# Altium PCB Phaser.PcbDoc (part 2 of 4)
Units mm, origin at the board's own origin, x right, y up, seen from the top; angles counter-clockwise.
Board outline 161.99 x 100 mm, 6 copper layers (L1, L2, L3, L4, P5, L6), stack 1.648 mm thick; 797 components, 586 nets, 3005 pads, 2 vias.
Unrouted connection lines stored in the file: 1433.
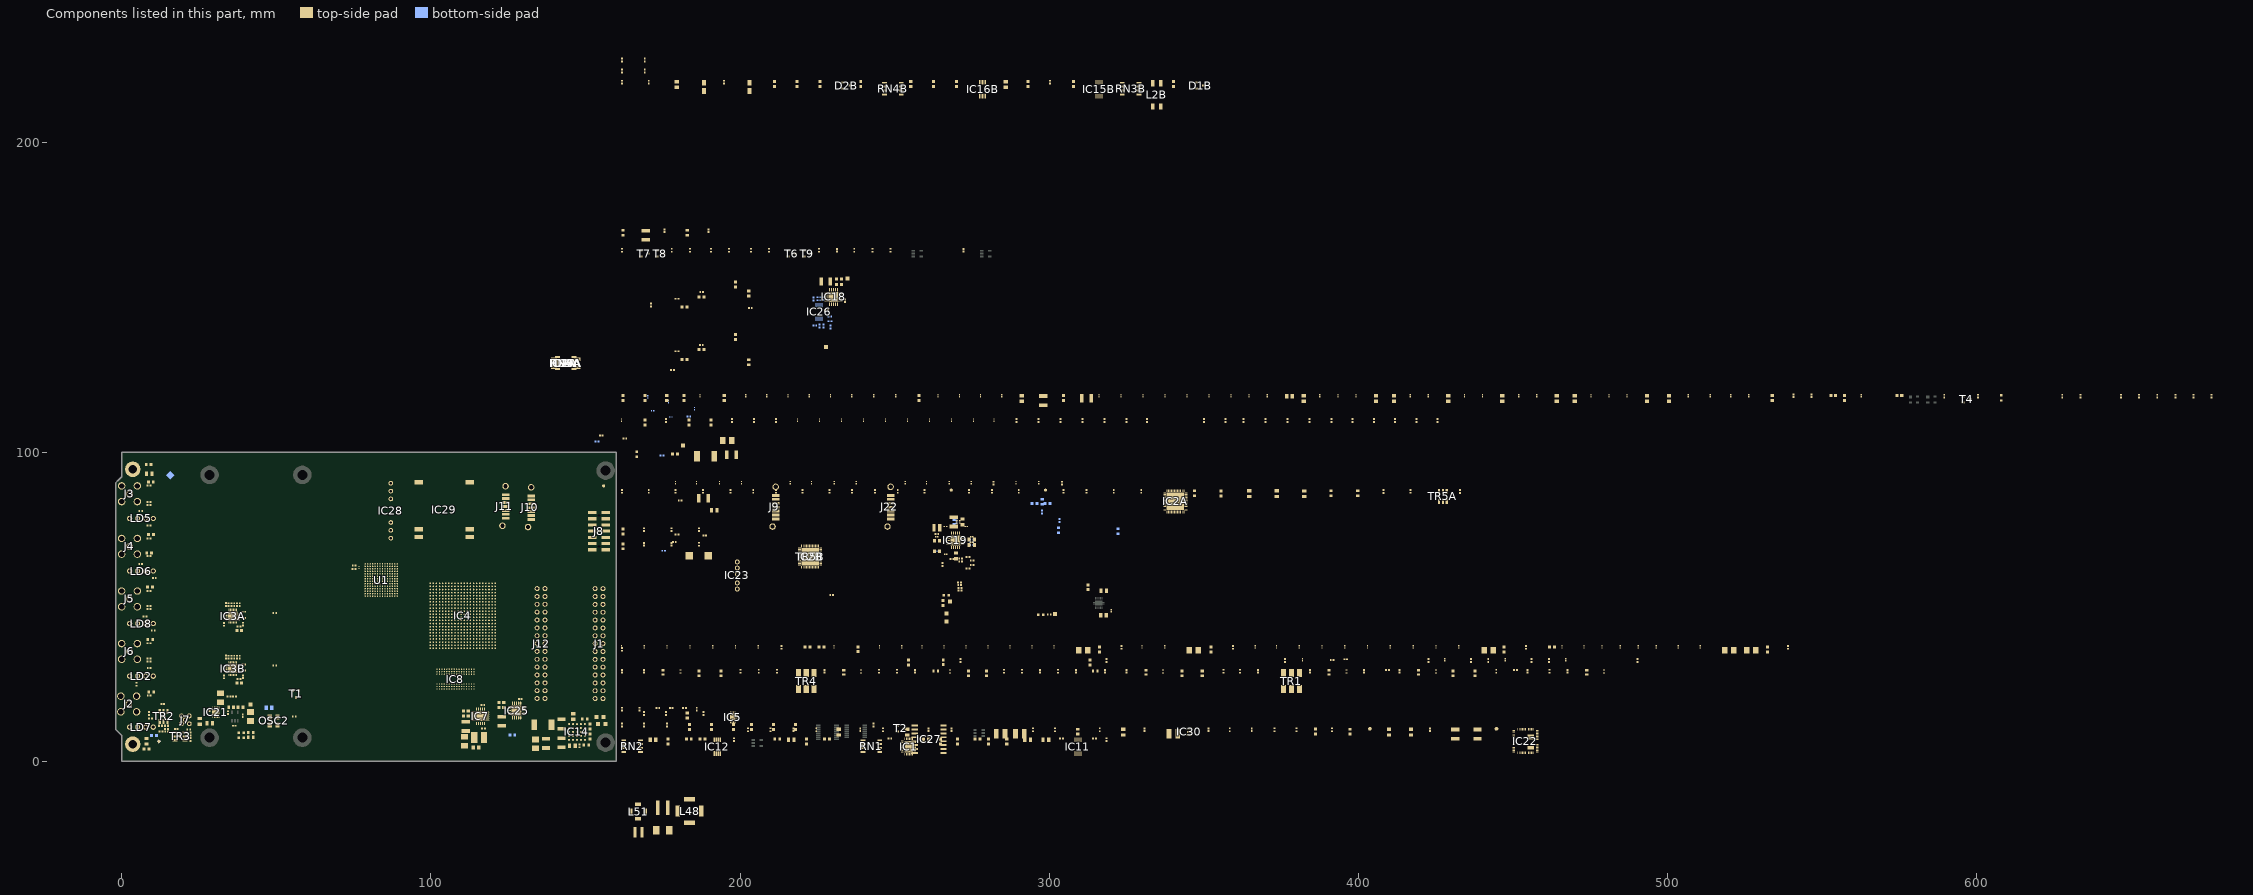
[diagram p3: the components of this part, seen from the top]

## Components (designator, comment, footprint, x,y, rotation, side; value= is the part's Value field where it differs from the comment) (continued)
L34A "1k@100MHz" INDC1005X55N 196.862,87.259 r90 top (schematic designator L34)
L34B "1k@100MHz" INDC1005X55N 222.662,66.162 r0 top (schematic designator L34)
L35A "1k@100MHz" INDC1005X55N 204.237,87.259 r90 top (schematic designator L35)
L35B "1k@100MHz" INDC1005X55N 222.662,66.162 r0 top (schematic designator L35)
L36 "68nH" IND_COILCRAFT_0603HP 331.219,28.706 r90 top
L37 "10nH" IND_COILCRAFT_0402DC 239.164,29.056 r90 top
L38 "10nH" IND_COILCRAFT_0402DC 336.844,29.056 r90 top
L39 "68nH" IND_COILCRAFT_0603HP 175.061,28.706 r90 top
L40 "10nH" IND_COILCRAFT_0402DC 180.686,29.056 r90 top
L41 "220R@100MHz" INDC1608X95N 226.263,36.956 r0 top
L42 "1.5uH" IND_TDK_SPM6530 136.19,11.752 r180 top
L43 "2.2uH" IND_MURATA_LQH44PN_P0 340.119,8.855 r0 top
L44 "10uH" IND_MURATA-PS_8400 115.6,7.65 r180 top
L45A "1k@100MHz" INDC1005X55N 329.744,87.259 r90 top (schematic designator L45)
L45B "1k@100MHz" INDC1005X55N 222.662,66.162 r0 top (schematic designator L45)
L46 "2.2uH" IND_MURATA_LQH44PN_P0 290.467,8.855 r0 top
L47 "2.2uH" IND_MURATA_LQH44PN_P0 284.241,8.855 r0 top
L48 "2.2uH" IND_WURTH_WE-TPC_8020 183.675,-16.125 r0 top
L49 "2.2uH" IND_BOURNS_SRP5015TA 174.95,-22.3 r0 top
L50 "2.2uH" IND_COILCRAFT_XAL4020 167.15,-23 r0 top
L51 "2.2uH" IND_BOURNS_SRU5028 166.975,-16.275 r0 top
L52 "2.2uH" IND_COILCRAFT_XAL5030 174.975,-15.1 r0 top
LD1 "Green" LED_KINGBRIGHT_KPH-1608CGCKr 38.6,7.65 r0 top
LD2 "Red/Green" LED_DIALIGHT_571-0112F 2.55,27.5 r0 top locked
LD3 "Green" LED_KINGBRIGHT_KPH-1608CGCK 607.932,117.485 r90 top
LD4 "Green" LED_KINGBRIGHT_KPH-1608CGCKr 266.625,53.7 r180 top
LD5 "Red/Green" LED_DIALIGHT_571-0112F 2.55,78.5 r0 top locked
LD6 "Red/Green" LED_DIALIGHT_571-0112F 2.55,61.5 r0 top locked
LD7 "Red/Green" LED_DIALIGHT_571-0112F 2.55,11 r0 top locked
LD8 "Red/Green" LED_DIALIGHT_571-0112F 2.55,44.5 r0 top locked
LD9 "Green" LED_KINGBRIGHT_KPH-1608CGCKr 38.6,9.15 r0 top
LD10 "Green" LED_KINGBRIGHT_KPH-1608CGCKr 166.6,99.325 r90 top
LD11 "Green" LED_KINGBRIGHT_KPH-1608CGCKr 297.205,47.415 r0 top
OSC2 "125MHz" 510CBA49M1520BAG 48.747,13 r270 top
R1 "0" RESC1005X40N#1 229.6,53.775 r180 top
R2 "0" RESC1005X40N#1 450.799,29.481 r0 top
R3 "0" RESC1005X40N#1 409.372,29.481 r0 top
R4 "0" RESC1005X40N#1 314.618,7.38 r0 top
R5 "100" RESC1005X40N#1 248.44,7.38 r0 top
R6 "0" RESC1005X40N#1 303.942,7.38 r0 top
R7 "24k" RESC1608X55N 212.013,7.13 r0 top
R8A "Undefined" RESC1608X55N 198.45,154.175 r90 top (schematic designator R8)
R8B "Undefined" RESC1608X55N 198.45,137.175 r90 top (schematic designator R8)
R9A "0" RESC1608X55N 322.249,74.381 r270 bottom (schematic designator R9)
R9B "0" RESC1608X55N 302.939,74.719 r270 bottom (schematic designator R9)
R10A "1k8" RESC1608X55N 202.8,151.303 r270 top (schematic designator R10)
R10B "1k8" RESC1608X55N 202.8,129.02 r270 top (schematic designator R10)
R11 "49R9" RESC1005X40N#1 490.201,32.556 r90 top
R12 "49R9" RESC1005X40N#1 461.55,32.556 r90 top
R13 "49R9" RESC1005X40N#1 455.95,32.556 r90 top
R14 "0" RESC1608X55N 9.528,22.347 r180 top
R15 "49R9" RESC1005X40N#1 441.974,32.556 r90 top
R16 "49R9" RESC1005X40N#1 436.374,32.556 r90 top
R17 "0" RESC1005X40N#1 268.512,65.35 r0 top
R18 "13k" RESC1005X40N#1 391.397,10.18 r90 top
R19 "2k2" RESC1608X55N 386.046,9.58 r90 top
R20 "1k6" RESC1005X40N#1 379.946,10.18 r90 top
R21 "49R9" RESC1005X40N#1 422.673,32.556 r90 top
R22 "100" RESC1005X40N#1 271.325,64.6 r0 top
R23 "4k7" RESC1608X55N 112.05,15.45 r270 top
R24 "49R9" RESC1005X40N#1 75.155,63.275 r180 top
R25A "0" RESC1608X55N 143.6,128.775 r0 top (schematic designator R25)
R25B "0" RESC1608X55N 262.565,219.015 r90 top (schematic designator R25)
R26 "100" RESC1005X40N#1 8.85,30.175 r0 top
R27 "100" RESC1005X40N#1 6.131,80.9 r180 top
R28 "100" RESC1005X40N#1 8.821,76.2 r0 top
R29 "100" RESC1005X40N#1 6.117,63.761 r180 top
R30 "100" RESC1005X40N#1 10.55,59.275 r180 top
R31 "49R9" RESC1005X40N#1 75.125,62.125 r0 top
R32 "0" RESC1005X40N#1 297.664,80.569 r270 bottom
R33 "10k" RESC1005X40N#1 299.964,47.407 r0 top
R34 "1k27" RESC1608X55N 269.125,77.4 r270 bottom
R35 "10" RESC1005X40N#1 318.518,32.556 r90 top
R36 "1k" RESC1608X55N 297.714,83.894 r270 bottom
R37 "60R4" RESC1005X40N#2 467.625,29.081 r90 top
R38 "91" RESC1005X40N#1 444.549,29.081 r90 top
R39 "60R4" RESC1005X40N#2 413.248,29.081 r90 top
R40 "60R4" RESC1005X40N#2 384.271,29.081 r90 top
R41 "91" RESC1005X40N#1 356.32,29.081 r90 top
R42 "1k" RESC1005X40N#1 263.625,67.9 r0 bottom
R43 "1k" RESC1005X40N#1 161.81,36.156 r90 top
R44 "100" RESC1005X40N#1 10.176,42.325 r180 top
R45 "0" RESC1005X40N#1 21.65,10.225 r0 top
R46 "0" RESC1005X40N#1 13.5,14.475 r180 top
R47 "49R9" RESC1005X40N#1 270.982,57.856 r180 top
R48 "0" RESC1005X40N#1 652.509,118.06 r90 top
R49 "100" RESC0603X28N 447.424,32.756 r90 top
R50 "0" RESC1005X40N#1 361.67,29.081 r90 top
R51A "100k" RESC1608X55N 182,146.9 r0 top (schematic designator R51)
R51B "100k" RESC1608X55N 182,129.9 r0 top (schematic designator R51)
R52 "49R9" RESC1005X40N#1 271.325,65.5 r180 top
R53 "5k6" RESC1608X55N 126.338,8.409 r180 bottom
R54 "60R4" RESC1005X40N#2 325.018,29.081 r90 top
R55 "100" RESC1005X40N#1 198.037,6.955 r90 top
R56 "0" RESC1608X55N 197.862,11.08 r90 top
R57 "300" RESC1005X40N#1 589.456,118.06 r90 top
R58A "47" RESC1005X40N#1 179.55,149.575 r0 top (schematic designator R58)
R58B "47" RESC1005X40N#1 179.55,132.575 r0 top (schematic designator R58)
R59 "0" RESC1005X40N#1 461.825,29.081 r90 top
R60A "0" RESC1005X40N#1 186.687,70.158 r90 top (schematic designator R60)
R60B "0" RESC1005X40N#1 186.687,74.883 r90 top (schematic designator R60)
R61 "60R4" RESC1005X40N#2 308.667,29.081 r90 top
R62 "0" RESC1005X40N#1 302.867,29.081 r90 top
R63 "91" RESC1005X40N#1 285.341,29.081 r90 top
R64 "100k" RESC1005X40N#1 8.797,82.871 r180 top
R65 "100k" RESC1005X40N#1 8.828,66.377 r180 top
R66 "0" RESC1005X40N#1 291.192,29.081 r90 top
R67 "60R4" RESC1005X40N#2 256.565,29.081 r90 top
R68 "0" RESC1005X40N#1 250.765,29.081 r90 top
R69 "0" RESC1005X40N#1 244.914,29.081 r90 top
R70 "100k" RESC1005X40N#1 270.025,77.4 r270 bottom
R71 "100" RESC0603X28N 427.873,32.756 r90 top
R72A "24k" RESC1608X55N 143.6,128.775 r0 top (schematic designator R72)
R72B "24k" RESC1608X55N 293.042,219.015 r90 top (schematic designator R72)
R73 "0" RESC1005X40N#1 18.84,8.255 r270 top
R74A "1k8" RESC1608X55N 143.6,128.775 r0 top (schematic designator R74)
R74B "1k8" RESC1608X55N 269.941,219.015 r90 top (schematic designator R74)
R75 "100k" RESC1005X40N#1 8.839,32.223 r180 top
R76 "60R4" RESC1005X40N#2 227.339,29.081 r90 top
R77 "0" RESC1005X40N#1 211.863,29.081 r90 top
R78 "10k" RESC1005X40N#1 242.764,165.238 r90 top
R79 "100" RESC0603X28N 76.725,62.645 r270 top
R80 "1k5" RESC1608X55N 110.55,15.45 r90 top
R81 "0" RESC1005X40N#1 14.5,10.475 r0 top
R82 "100k" RESC1005X40N#1 203.562,165.238 r90 top
R83 "91" RESC1005X40N#1 200.162,29.081 r90 top
R84 "10k" RESC1005X40N#1 190.587,165.238 r90 top
R85 "0" RESC1005X40N#1 206.012,29.081 r90 top
R86 "60R4" RESC1005X40N#2 168.861,29.081 r90 top
R87 "160" RESC1608X55N 151.488,11.207 r270 top
R88 "100" RESC0603X28N 381.896,32.756 r90 top
R89 "0" RESC1005X40N#1 664.21,118.06 r90 top
R90 "0" RESC1005X40N#1 318.543,6.955 r90 top
R91 "0" RESC1005X40N#1 658.36,118.06 r90 top
R92 "1k" RESC1005X40N#1 627.608,118.06 r90 top
R93 "1k" RESC1005X40N#1 646.659,118.06 r90 top
R94 "2k2" RESC1005X40N#1 675.885,118.06 r90 top
R95 "2k2" RESC1005X40N#1 274.925,71.7 r180 bottom
R96 "2k2" RESC1005X40N#1 670.06,118.06 r90 top
R97A "47" RESC1005X40N#1 143.6,128.775 r0 top (schematic designator R97)
R97B "47" RESC1005X40N#1 300.167,219.615 r90 top (schematic designator R97)
R98A "Undefined" RESC1608X55N 143.6,128.775 r0 top (schematic designator R98)
R98B "Undefined" RESC1608X55N 255.19,219.015 r90 top (schematic designator R98)
R99 "51" RESC1005X40N#1 356.945,110.185 r90 top
R100 "51" RESC1005X40N#1 171.116,147.536 r90 top
R101 "51" RESC1005X40N#1 274.925,70.8 r180 bottom
R102 "51" RESC1005X40N#1 274.925,69.9 r180 bottom
R103 "51" RESC1005X40N#1 275.046,64.856 r180 top
R104 "51" RESC1005X40N#1 362.795,110.185 r90 top
R105 "51" RESC1005X40N#1 369.895,110.185 r90 top
R106 "51" RESC1005X40N#1 377.021,110.185 r90 top
R107 "51" RESC1005X40N#1 384.121,110.185 r90 top
R108 "51" RESC1005X40N#1 273.715,66.075 r180 top
R109 "51" RESC1005X40N#1 275.046,63.5 r180 top
R110 "51" RESC1005X40N#1 273.715,62.383 r180 top
R111 "51" RESC1005X40N#1 174.75,98.85 r180 bottom
R112 "51" RESC1005X40N#1 391.247,110.185 r90 top
R113 "51" RESC1005X40N#1 398.097,110.185 r90 top
R114 "51" RESC1005X40N#1 303.354,77.871 r90 bottom
R115 "51" RESC1005X40N#1 404.972,110.185 r90 top
R116 "51" RESC1005X40N#1 411.823,110.185 r90 top
R117 "51" RESC1005X40N#1 418.698,110.185 r90 top
R118 "51" RESC1005X40N#1 425.548,110.185 r90 top
R119 "51" RESC1005X40N#1 350.095,110.185 r90 top
R120 "51" RESC1005X40N#1 331.544,110.185 r90 top
R121 "51" RESC1005X40N#1 324.943,110.185 r90 top
R122 "51" RESC1005X40N#1 317.818,110.185 r90 top
R123 "5k1" RESC1005X40N#1 310.718,110.185 r90 top
R124 "240" RESC1005X40N#1 303.592,110.185 r90 top
R125 "240" RESC1005X40N#1 296.492,110.185 r90 top
R126 "51" RESC1005X40N#1 289.367,110.185 r90 top
R127 "10k" RESC1005X40N#1 211.588,110.185 r90 top
R128 "10k" RESC1005X40N#1 197.362,110.185 r90 top
R129 "10k" RESC1005X40N#1 176.036,110.185 r90 top
R130 "1k2" RESC1608X55N 231.95,154.15 r180 top
R131 "6k8" RESC1608X55N 35.38,17.45 r180 top
R132 "2k2" RESC1608X55N 38.38,17.45 r180 top
R133 "68k" RESC1005X40N#1 34.675,20.86 r180 top
R134 "20k" RESC1005X40N#1 372.846,10.18 r90 top
R135 "2k" RESC1005X40N#1 36.446,20.86 r180 top
R136 "1k6" RESC1005X40N#1 358.37,10.18 r90 top
R137A "100k" RESC1608X55N 187.526,150.177 r180 top (schematic designator R137)
R137B "100k" RESC1608X55N 187.526,133.177 r180 top (schematic designator R137)
R138A "2k4" RESC1005X40N#1 187.55,151.8 r180 top (schematic designator R138)
R138B "2k4" RESC1005X40N#1 187.454,134.575 r180 top (schematic designator R138)
R139 "2k2" RESC1608X55N 41.705,9.255 r0 top
R140 "100k" RESC1005X40N#1 248.615,165.238 r90 top
R141 "10k" RESC1005X40N#1 236.914,165.238 r90 top
R142 "10k" RESC1005X40N#1 225.488,165.238 r90 top
R143 "1k2" RESC1608X55N 10.445,8.251 r0 bottom
R144 "10k" RESC1005X40N#1 209.388,165.238 r90 top
R145 "100k" RESC1005X40N#1 196.437,165.238 r90 top
R146 "10k" RESC1005X40N#1 183.736,165.238 r90 top
R147 "470" RESC1005X40N#1 33.11,27.286 r90 top
R148 "10k" RESC1005X40N#1 177.886,165.238 r90 top
R149 "10k" RESC1005X40N#1 161.81,165.238 r90 top
R150 "100k" RESC1005X40N#1 8.85,15.4 r270 top
R151 "100k" RESC1005X40N#1 8.814,49.251 r180 top
R152 "100" RESC1005X40N#1 7.53,46.761 r180 top
R153 "100" RESC1005X40N#1 4.79,24.875 r90 top
R154 "1k2" RESC1608X55N 41.705,7.755 r0 top
R155 "24k" RESC1608X55N 150.238,5.207 r0 top
R156 "0" RESC1608X55N 9.401,90.342 r180 top
R157 "0" RESC1608X55N 9.477,73.299 r180 top
R158 "0" RESC1608X55N 9.147,56.306 r180 top
R159 "0" RESC1608X55N 8.69,95.956 r180 top
R160 "0" RESC1608X55N 9.198,39.314 r180 top
R161 "0" RESC1608X55N 8.004,3.906 r180 top
R162 "24k" RESC1608X55N 151.488,7.957 r90 top
R163 "100" RESC1005X40N#1 271.008,56.942 r0 top
R164 "24k" RESC1608X55N 149.738,13.707 r0 top
R165 "470" RESC1005X40N#1 188.212,15.405 r90 top
R166 "240k" RESC1005X40N#1 316.318,10.18 r90 top
R167 "4k7" RESC1608X55N 123.55,18.15 r270 top
R168 "1k5" RESC1608X55N 122.05,18.15 r90 top
R169 "10k" RESC1005X40N#1 229.164,140.43 r270 bottom
R170 "470" RESC1005X40N#1 33.066,44.26 r90 top
R171 "10k" RESC1005X40N#1 229.05,142.295 r0 bottom
R172 "10k" RESC1005X40N#1 229.025,143.793 r0 bottom
R173 "0" RESC1005X40N#1 226.914,140.775 r90 bottom
R174 "0" RESC1005X40N#1 224.173,140.898 r180 bottom
R175 "0" RESC1005X40N#1 225.664,140.775 r90 bottom
R176 "0" RESC1005X40N#1 223.741,149.508 r270 bottom
R177 "0" RESC1005X40N#1 225.037,149.559 r270 bottom
R178 "0" RESC1005X40N#1 226.002,149.559 r270 bottom
R179 "1k5" RESC1608X55N 231.95,155.9 r180 top
R180 "1k5" RESC1608X55N 182.886,170.938 r90 top
R181 "1k2" RESC1608X55N 162.06,170.938 r90 top
R182 "1k2" RESC1608X55N 265.658,51.176 r270 top
R183 "1k2" RESC1608X55N 178.947,99.4 r0 top
R184A "0" RESC1005X40N#1 49.476,47.943 r180 top (schematic designator R184)
R184B "0" RESC1005X40N#1 49.476,30.943 r180 top (schematic designator R184)
R185 "0" RESC1608X55N 217.938,11.08 r90 top
R186 "0" RESC1608X55N 203.712,11.08 r90 top
R187 "0" RESC1608X55N 210.813,11.08 r90 top
R188 "0" RESC1608X55N 190.762,11.08 r90 top
R189 "0" RESC1608X55N 183.661,11.08 r90 top
R190 "10k" RESC1005X40N#1 176.286,11.68 r90 top
R191 "100" RESC1005X40N#1 304.117,89.934 r90 top
R192 "10k" RESC1005X40N#1 161.81,11.68 r90 top
R193A "49R9" RESC1005X40N#1 416.773,87.284 r90 top (schematic designator R193)
R193B "49R9" RESC1005X40N#1 222.662,66.162 r0 top (schematic designator R193)
R194A "0" RESC1608X55N 399.747,86.684 r90 top (schematic designator R194)
R194B "0" RESC1608X55N 222.662,66.162 r0 top (schematic designator R194)
R195A "1k5" RESC1608X55N 391.122,86.684 r90 top (schematic designator R195)
R195B "1k5" RESC1608X55N 222.662,66.162 r0 top (schematic designator R195)
R196A "1k5" RESC1608X55N 346.944,86.684 r90 top (schematic designator R196)
R196B "1k5" RESC1608X55N 222.662,66.162 r0 top (schematic designator R196)
R197 "51k" RESC1005X40N#1 301.842,10.18 r90 top
R198 "2k" RESC1005X40N#1 294.717,10.18 r90 top
R234 "75k" RESC1005X40N#1 246.214,10.18 r90 top
R237 "75k" RESC1005X40N#1 209.888,10.18 r90 top
R238 "0" RESC1005X40N#1 633.458,118.06 r90 top
R239 "0" RESC1005X40N#1 600.432,118.06 r90 top
R381 "75k" RESC1005X40N#1 224.613,10.18 r90 top
R382 "24k" RESC1005X40N#1 202.512,10.18 r90 top
R1017 "100" RESC0603X28N 467,32.756 r90 top
RN1 "10k 5K 5K 10K" SOIC127P600X175-8N 242.464,4.88 r0 top
RN2 "10k 5K 5K 10K" SOIC127P600X175-8N 165.06,4.88 r0 top
RN3A "10k 5K 5K 10K" SOIC127P600X175-8N 143.6,128.775 r0 top (schematic designator RN3)
RN3B "10k 5K 5K 10K" SOIC127P600X175-8N 326.268,217.54 r0 top (schematic designator RN3)
RN4A "10k 5K 5K 10K" SOIC127P600X175-8N 143.6,128.775 r0 top (schematic designator RN4)
RN4B "10k 5K 5K 10K" SOIC127P600X175-8N 249.39,217.54 r0 top (schematic designator RN4)
T1 "BSS138LT1G" SOT95P240X110-3N 56.366,21.737 r270 top
T2 "BSS138LT1G" SOT95P240X110-3N 251.94,10.58 r0 top
T4 "BSS138LT1G" SOT95P240X110-3N 596.707,116.985 r0 top
T6 "BSS138LT1G" SOT95P240X110-3N 216.638,164.163 r0 top
T7 "BSS138LT1G" SOT95P240X110-3N 169.036,164.163 r0 top
T8 "BSS138LT1G" SOT95P240X110-3N 174.161,164.163 r0 top
T9 "BSS138LT1G" SOT95P240X110-3N 221.763,164.163 r0 top
TP1 "TP" TP 444.624,10.48 r90 top
TP2 "TP" TP 403.697,10.48 r90 top
TP5 "Test Point" TPS127 156.435,12.007 r0 top
TP6 "Test Point" TPS127 155.825,14.303 r0 top
TP7 "Test Point" TPS127 154,12.007 r0 top
TP8 "Test Point" TPS127 153.5,14.303 r0 top
TP10 "Test Point" TPS127 234.7,156.15 r90 top
TP11 "Test Point" TPS127 227.817,134.017 r90 top
TP12 "Test Point" TPS127 267.825,51.6 r90 top
TP13 "Test Point" TPS127 266.788,45.19 r90 top
TP14 "Test Point" TPS127 181.501,102.125 r90 top
TP15 "Test Point" TPS127 266.766,47.753 r90 top
TP16 "Test Point" TPS127 41.6,18.4 r90 top
TP18 "Test Point" TPS127 301.824,47.643 r90 top
TR1 "1:1" XFMR_MINI-CIRCUITS_CD542 378.321,25.931 r0 top
TR2 "1:2" XFMR_MINI-CIRCUITS_DB1627 13.5,14.475 r0 top
TR3 "1:2" XFMR_MINI-CIRCUITS_DB1627 18.84,8.005 r90 top
TR4 "1:1" XFMR_MINI-CIRCUITS_CD542 221.388,25.931 r0 top
TR5A "1:2" XFMR_MINI-CIRCUITS_DB1627 427.323,85.609 r0 top (schematic designator TR5)
TR5B "1:2" XFMR_MINI-CIRCUITS_DB1627 222.662,66.162 r0 top (schematic designator TR5)
U1 "DAC34H84IZAY" TI-ZAY196 83.925,58.6 r180 top
WASHER1 "D11.1xd6.6" Keystone_7687 -4.607,86.5 r180 top
WASHER2 "D11.1xd6.6" Keystone_7687 -4.607,35.5 r180 top
WASHER3 "D11.1xd6.6" Keystone_7687 -4.607,69.5 r180 top
WASHER4 "D11.1xd6.6" Keystone_7687 -3.102,86.5 r0 top
WASHER5 "D11.1xd6.6" Keystone_7687 -4.85,18.5 r180 top
WASHER6 "D11.1xd6.6" Keystone_7687 -3.502,52.496 r0 top
WASHER7 "D11.1xd6.6" Keystone_7687 -3.324,69.489 r0 top
WASHER8 "D11.1xd6.6" Keystone_7687 -3.374,18.575 r0 top
WASHER9 "D11.1xd6.6" Keystone_7687 -3.102,35.5 r0 top
WASHER10 "D11.1xd6.6" Keystone_7687 -4.85,18.5 r180 top

## Footprints (in the part's own frame and the unit in brackets; to place one, negate y for a bottom-side part, rotate by r counter-clockwise, add the part's x,y. Pads: shape width x height; smd on the part's side, far side on the other; paste and mask are expansions set on the pad)
3M_N2530-6002RB [mm] "30 Contacts - Straight .100\" x .100\" Low Profile Four-Wall Header"
  round 1.6 hole 1: 1(-17.78,-1.27) 2(-17.78,1.27) 3(-15.24,-1.27) 4(-15.24,1.27) 5(-12.7,-1.27) 6(-12.7,1.27) 7(-10.16,-1.27) 8(-10.16,1.27) 9(-7.62,-1.27) 10(-7.62,1.27) 11(-5.08,-1.27) 12(-5.08,1.27) 13(-2.54,-1.27) 14(-2.54,1.27) 15(0,-1.27) 16(0,1.27) 17(2.54,-1.27) 18(2.54,1.27) 19(5.08,-1.27) 20(5.08,1.27) 21(7.62,-1.27) 22(7.62,1.27) 23(10.16,-1.27) 24(10.16,1.27) 25(12.7,-1.27) 26(12.7,1.27) 27(15.24,-1.27) 28(15.24,1.27) 29(17.78,-1.27) 30(17.78,1.27)
  silkscreen extent -22.71,-4.85 22.71,4.52, body extent -22.71,-4.11 22.71,4.52, height 9.91
510CBA49M1520BAG [mm]
  rect 1.7x1.35 smd: 1(-1.3,-0.87) 2(1.3,-0.87) 3(1.3,1.67) 4(-1.3,1.67)
  silkscreen extent -2.5,-2 2.5,2, body extent -2.5,-1.41 2.5,2.21, height 1.1
BGA96C80P9X16_800X1400X120 [mm] "BGA, 0.80mm Pitch, Rect.; 96 Pin, 9 Columns X 16 Rows, 8.00mm X 14.00mm X 1.20mm H"
  round 0.4 smd: A1(-3.2,6) A2(-2.4,6) A3(-1.6,6) A7(1.6,6) A8(2.4,6) A9(3.2,6) B1(-3.2,5.2) B2(-2.4,5.2) B3(-1.6,5.2) B7(1.6,5.2) B8(2.4,5.2) B9(3.2,5.2) C1(-3.2,4.4) C2(-2.4,4.4) C3(-1.6,4.4) C7(1.6,4.4) C8(2.4,4.4) C9(3.2,4.4) D1(-3.2,3.6) D2(-2.4,3.6) D3(-1.6,3.6) D7(1.6,3.6) D8(2.4,3.6) D9(3.2,3.6) E1(-3.2,2.8) E2(-2.4,2.8) E3(-1.6,2.8) E7(1.6,2.8) E8(2.4,2.8) E9(3.2,2.8) F1(-3.2,2) F2(-2.4,2) F3(-1.6,2) F7(1.6,2) F8(2.4,2) F9(3.2,2) G1(-3.2,1.2) G2(-2.4,1.2) G3(-1.6,1.2) G7(1.6,1.2) G8(2.4,1.2) G9(3.2,1.2) H1(-3.2,0.4) H2(-2.4,0.4) H3(-1.6,0.4) H7(1.6,0.4) H8(2.4,0.4) H9(3.2,0.4) J1(-3.2,-0.4) J2(-2.4,-0.4) J3(-1.6,-0.4) J7(1.6,-0.4) J8(2.4,-0.4) J9(3.2,-0.4) K1(-3.2,-1.2) K2(-2.4,-1.2) K3(-1.6,-1.2) K7(1.6,-1.2) K8(2.4,-1.2) K9(3.2,-1.2) L1(-3.2,-2) L2(-2.4,-2) L3(-1.6,-2) L7(1.6,-2) L8(2.4,-2) L9(3.2,-2) M1(-3.2,-2.8) M2(-2.4,-2.8) M3(-1.6,-2.8) M7(1.6,-2.8) M8(2.4,-2.8) M9(3.2,-2.8) N1(-3.2,-3.6) N2(-2.4,-3.6) N3(-1.6,-3.6) N7(1.6,-3.6) N8(2.4,-3.6) N9(3.2,-3.6) P1(-3.2,-4.4) P2(-2.4,-4.4) P3(-1.6,-4.4) P7(1.6,-4.4) P8(2.4,-4.4) P9(3.2,-4.4) R1(-3.2,-5.2) R2(-2.4,-5.2) R3(-1.6,-5.2) R7(1.6,-5.2) R8(2.4,-5.2) R9(3.2,-5.2) T1(-3.2,-6) T2(-2.4,-6) T3(-1.6,-6) T7(1.6,-6) T8(2.4,-6) T9(3.2,-6)
  silkscreen extent -4.72,-7 4,7, body extent -4.07,-7.07 4.08,7.08, height 1.2
C100 [mm] "1mm Diameter SMD Pad"
  round 1 smd paste-1: 1(0,0)
CAPC0603X33N [mm] "Chip Capacitor, Body 0.6x0.30mm, IPC Medium Density"
  rect 0.45x0.4 smd: 1(-0.35,0) 2(0.35,0)
  body extent -0.31,-0.16 0.32,0.17, height 0.33
CAPC1005X50N [mm] "Chip Capacitor, Body 1.0x0.55mm, IPC Medium Density"
  rect 0.57x0.68 smd: 1(-0.49,0) 2(0.49,0)
  body extent -0.5,-0.27 0.5,0.28, height 0.5
CAPC1005X55N [mm] "Capacitor, Non-Polarized, Chip; 1.00mm L X 0.50mm W X 0.70mm H, IPC Medium Density"
  rect 0.62x0.62 smd: 1(-0.45,0) 2(0.45,0)
  body extent -0.52,-0.27 0.53,0.28, height 0.55
CAPC1608X80N [mm] "Chip Capacitor, Body 1.6x0.8mm IPC Medium Density"